# Altium PCB Copy of ECU rev B pcb.PcbDoc (part 3 of 5)
Units mm, origin at the board's own origin, x right, y up, seen from the top; angles counter-clockwise.
Board outline 142 x 125.42 mm, 4 copper layers (Top Layer, GND, Power, Bottom Layer), stack 0.603 mm thick; 577 components, 350 nets, 1799 pads, 656 vias.
Unrouted connection lines stored in the file: 28.
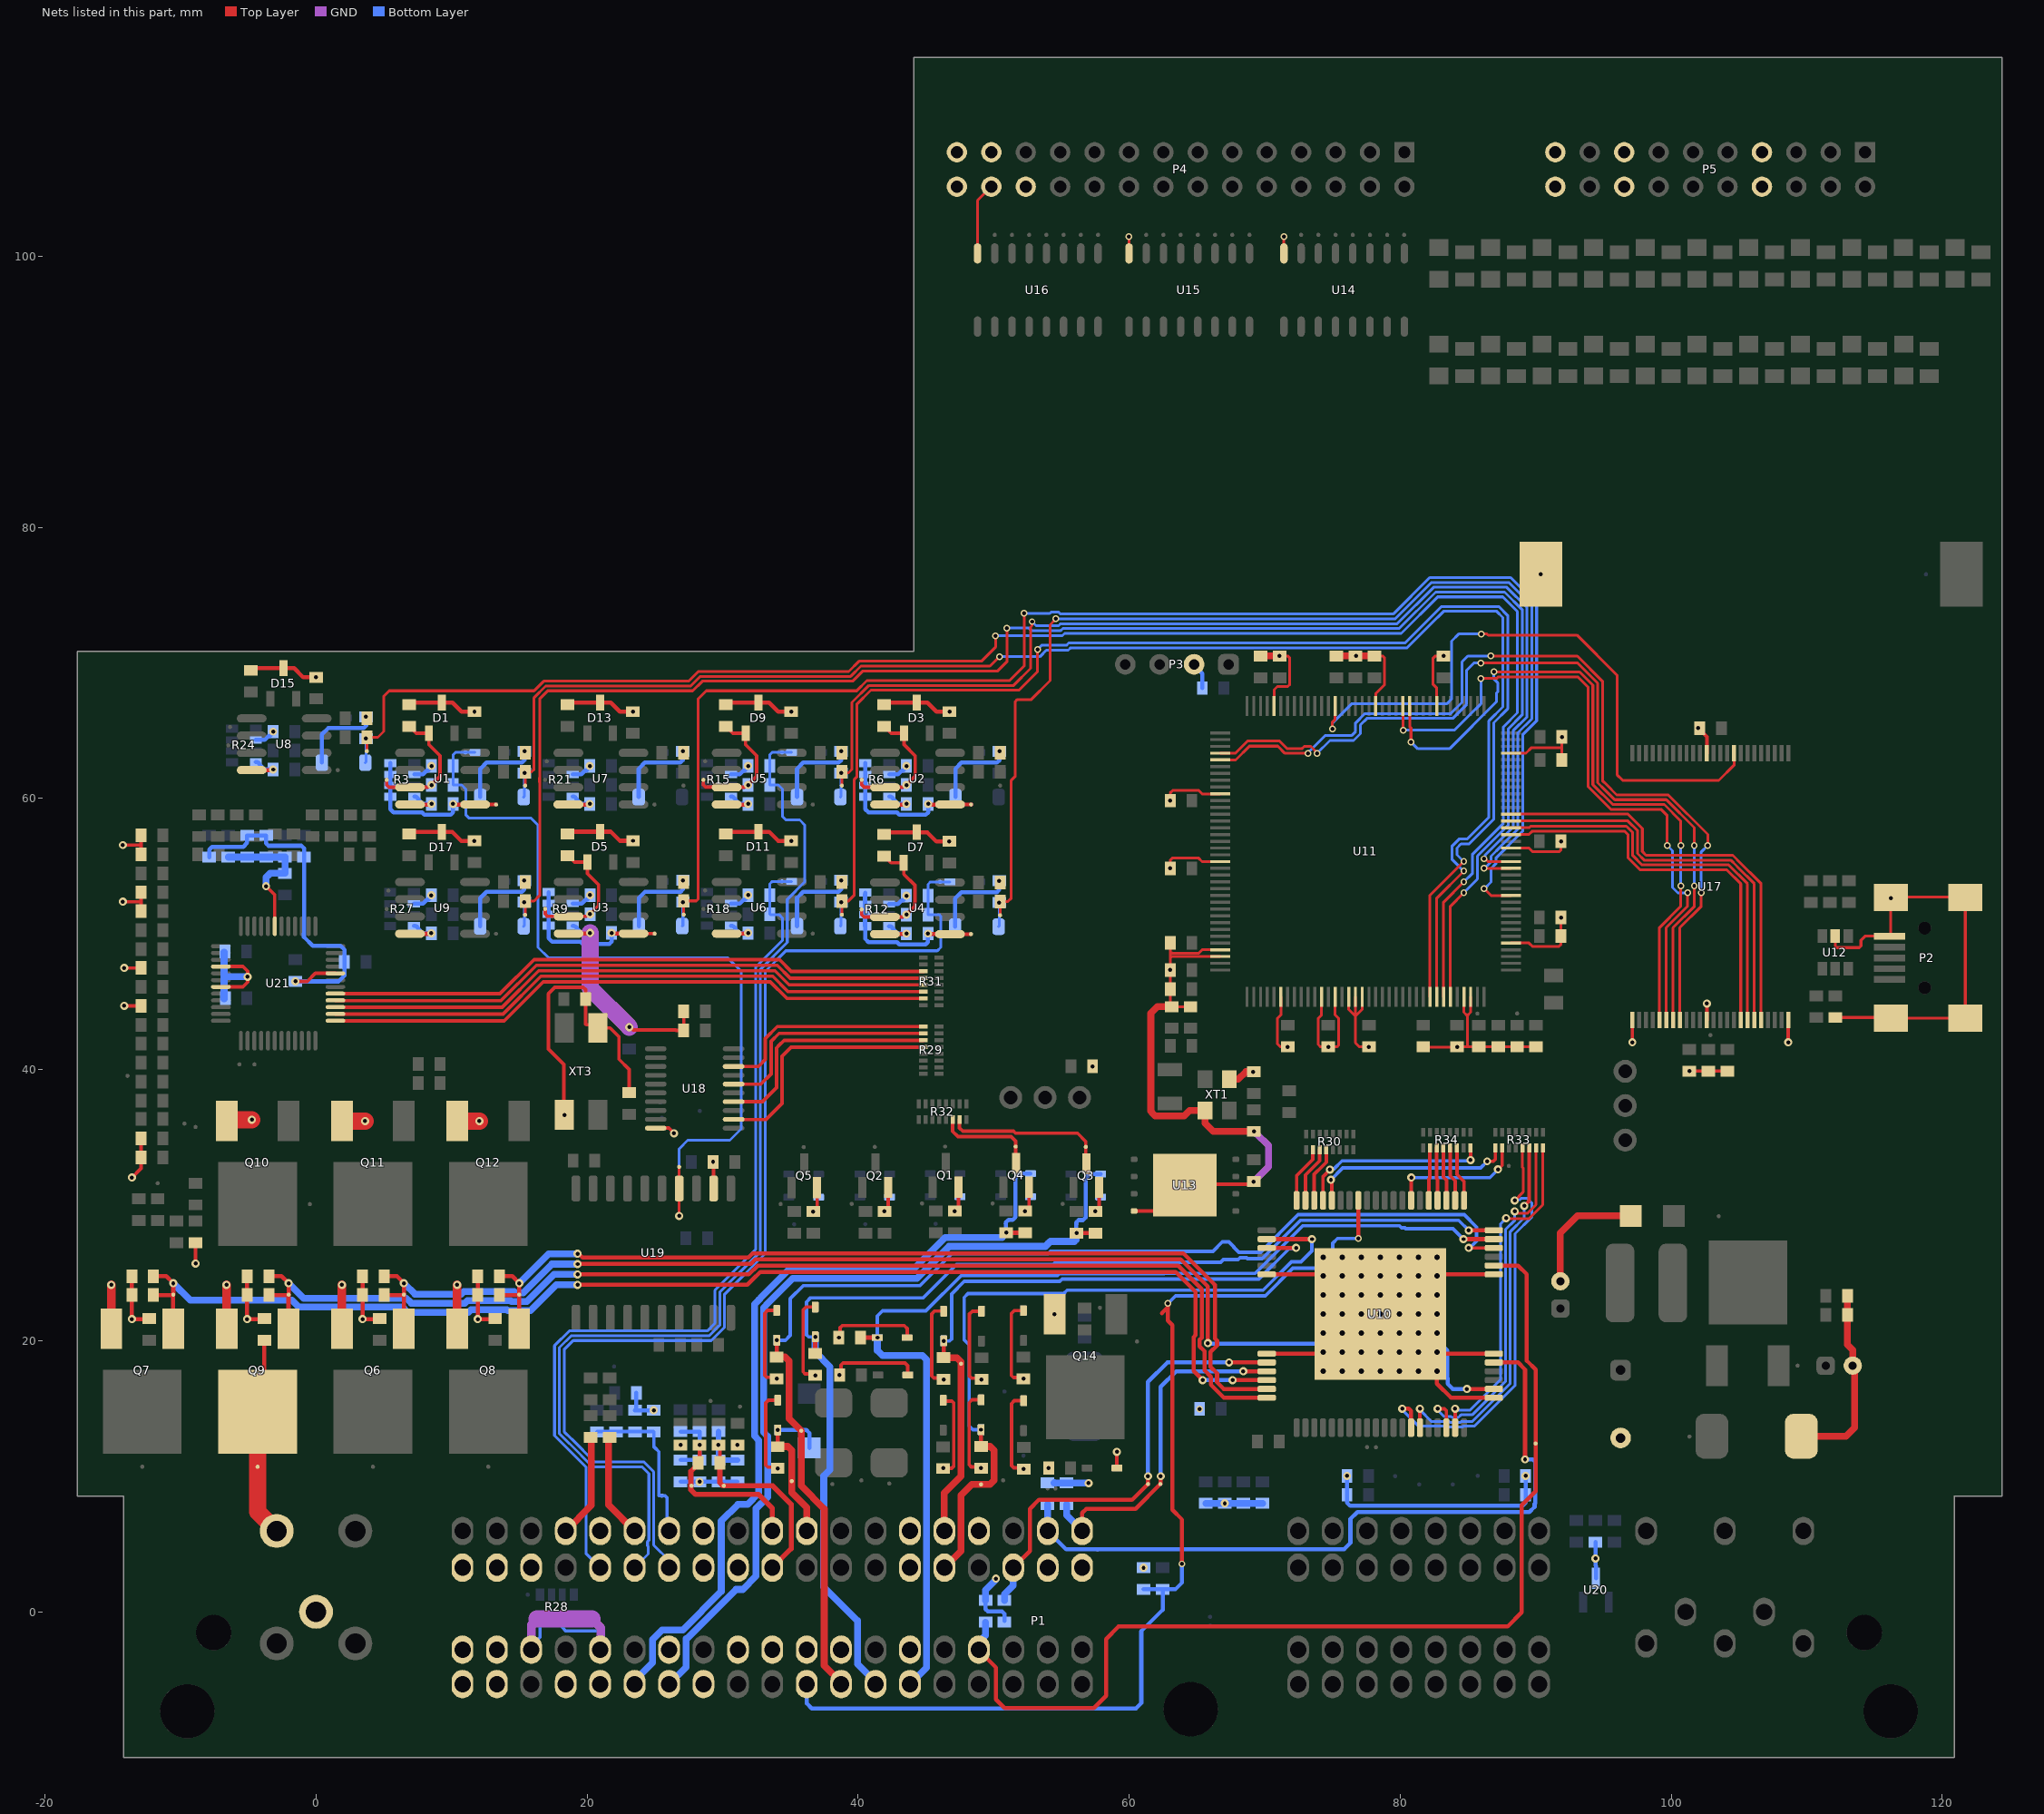
[diagram p5: the nets of this part, all layers, seen from the top]

## Via types
v1: diameter 0.6, hole 0.3, Top Layer to Bottom Layer, tented both sides, 321 vias
v2: diameter 0.5, hole 0.3, Top Layer to Bottom Layer, tented both sides, 275 vias
v3: diameter 0.6, hole 0.4, Top Layer to Bottom Layer, 49 vias
v4: diameter 0.45, hole 0.3, Top Layer to Bottom Layer, tented both sides, 8 vias
v5: diameter 1.2, hole 0.6, Top Layer to Bottom Layer, tented both sides, 2 vias
v6: diameter 0.6, hole 0.3, Top Layer to Bottom Layer, 1 vias

## Nets (pads, with @x,y where several pads share a name; then routed paths per layer and width w, separated by ;. In a path a pad name is that pad's centre, name@x,y a point inside that pad or via, vN(x,y) a via of type N, cw(c..) or ccw(c..) an arc to the next point about the centre after c; other vN are vias at no path point) (continued)
Coil4: C91.2 P1.4 Q9.4 TP111.0 | length 14.9
  Top Layer w0.305: Q9.4@-3.81,14.986 -3.81,19.939 -3.8,19.949 C91.2@-3.8,20.026 ; Q9.4@-2.399,12.968 Q9.4@-2.032,13.335
  Top Layer w1.27: Q9.4@-4.318,14.75 -4.318,7.388 P1.4@-2.9,5.97
ConditD: Q4.3 R32.14 TP72.0 | length 7.5
  Top Layer w0.254: R32.14@46.982,36.322 46.982,35.441 47.371,35.052 51.294,35.052 51.621,34.725 TP72.0@51.621,34.323 51.621,33.125 51.663,33.083 Q4.3@51.663,33.078
Conditioner: C119.2 P1.69 TP55.0 U10.32 VD24.2 VD40.1 | length 85.8
  Top Layer w0.305: C119.2@36.833,19.053 v2(36.833,20.288) ; v1(85.055,28.145) 86.095,28.145 86.096,28.146 U10.32@86.916,28.146
  Bottom Layer w0.254: v2(36.833,20.288) 36.349,20.288 36.2,20.437 36.2,22.863 36.504,23.167 44.818,23.167 47.263,25.613 54.389,25.613 54.548,25.772 62.248,25.772 62.265,25.789 66.763,25.789 66.959,25.984 68.035,25.984 68.175,26.124 68.655,26.124 68.714,26.065 69.813,26.065 72.635,28.887 72.762,28.887 72.818,28.887 84.313,28.887 v1(85.055,28.145)
  Bottom Layer w0.508: v2(36.833,20.288) TP55.0@36.833,19.167 37.928,18.072 37.928,10.483 37.465,10.021 37.465,1.835 39.956,-0.656 39.956,-3.856 41.29,-5.19 P1.69@41.29,-5.33
"Conditioner sensor": C70.2 P1.76 R49.1 TP73.0 VD14.2 | length 61.6
  Top Layer w0.305: v1(50.936,27.966) C70.2@52.337,27.966
  Top Layer w0.508: P1.76@23.51,-5.33 P1.76@23.51,-5.08
  Bottom Layer w0.305: v1(50.936,27.966) 50.921,27.981 TP73.0@50.921,28.625 50.921,28.746 51.1,28.925 51.421,28.925 51.621,29.125 51.621,32.025 51.921,32.325 VD14.2@52.721,32.325
  Bottom Layer w0.508: P1.76@23.51,-5.33 23.87,-5.33 23.9,-5.3 23.872,-5.272 23.872,-4.728 24.844,-3.756 24.844,-2.04 25.55,-1.334 27.066,-1.334 29.9,1.5 29.9,6.696 31.143,7.94 31.856,7.94 32.672,8.755 32.672,12.661 32.36,12.973 32.36,22.698 32.683,23.021 32.683,23.04 32.9,23.257 32.9,23.266 34.928,25.294 38.84,25.294 44.107,25.294 46.432,27.619 50.619,27.619 v1@50.9,27.9
"Coolant Temp sensor": C32.2 P1.39 R16.1 TP26.0 VD6.2 | length 67.2
  Bottom Layer w0.203: P1.39@20.97,3.26 19.916,4.314 19.916,10.686 17.602,13 17.602,19.639 18.689,20.726 28.875,20.726 29.439,21.29 29.439,23.729 32.436,26.726 32.436,47.549 34.417,49.53 34.417,51.181 34.163,51.435 33.523,51.435 R16.1@33.487,51.471 C32.2@33.487,52.868 33.487,53.706 33.665,53.884 TP26.0@34.385,53.884 VD6.2@35.105,53.884
CoolantT: C34.2 D12.1 R17.2 TP28.0 U11.28 | length 101.6
  Top Layer w0.203: TP28.0@38.802,51.428 R17.2@38.802,52.445 39.3,52.446 39.7,52.846 39.7,61.379 39.9,61.579 39.9,66.943 40.947,67.99 41.047,67.99 51.876,67.99 53.238,69.352 v2(53.238,70.999) ; U11.28@82.199,45.377 82.199,52.861 84.683,55.346 v2(84.696,55.346) v2@84.7,55.346
  Bottom Layer w0.203: D12.1@38.694,50.582 38.745,50.633 v1(38.745,52.36) ; v2(53.238,70.999) 53.537,71.298 55.368,71.298 55.546,71.476 80.369,71.476 83.058,74.164 87.273,74.164 87.935,73.502 87.935,66.614 86.907,65.586 86.907,58.474 85.083,56.65 84.487,56.65 84.192,56.354 84.192,55.85 v2(84.696,55.346)
CPS_N: C170.1 C171.2 C172.2 C174.2 P1.34 R118.1 TP145.0 | length 17.5
  Top Layer w0.254: R118.1@29.7,12.2 29.8,12.1 C174.2@29.8,11
  Top Layer w0.381: R118.1@29.7,12.2 v1(29.7,12.3) ; C174.2@29.8,11 29.8,9.528 30.023,9.305 30.092,9.305 33.695,9.305 35.067,7.933 35.067,4.657 P1.34@33.67,3.26
  Bottom Layer w0.381: C170.1@29.7,13.3 v1(29.7,12.3) 29.708,12.292 C172.2@29.708,11.197 C171.2@31.105,11.197
CPS_P: C174.1 C175.2 C176.2 P1.15 R119.2 R120.2 R121.1 TP147.0 | length 16.7
  Top Layer w0.305: C174.1@28.2,11 28.3,11.1 v1(28.3,12.3)
  Top Layer w0.381: C174.1@28.2,11 28.2,10.9 27.665,10.365 27.665,9.3 27.665,8.997 27.992,8.67 32.651,8.67 33.67,7.651 P1.15@33.67,5.97
  Bottom Layer w0.305: C175.2@26.9,11.197 C176.2@28.308,11.197 28.3,11.205 v1(28.3,12.3) R120.2@28.3,13.3 R119.2@26.9,13.3
"ESF D": Q3.3 R32.15 TP69.0 | length 12
  Top Layer w0.254: R32.15@47.482,36.322 47.482,35.703 47.727,35.458 51.462,35.458 51.615,35.306 56.194,35.306 56.8,34.7 TP69.0@56.8,34.298 56.8,33.1 56.842,33.058 Q3.3@56.842,33.053
"ESF sensor": C69.2 P1.75 R47.1 TP70.0 VD13.2 | length 64
  Top Layer w0.305: v1(56.115,27.941) C69.2@57.516,27.941
  Bottom Layer w0.305: v1@56.1,27.956 TP70.0@56.1,28.6 56.1,28.721 56.279,28.9 56.6,28.9 56.8,29.1 56.8,32 57.1,32.3 VD13.2@57.9,32.3
  Bottom Layer w0.508: P1.75@26.05,-5.33 27.3,-4.08 27.3,-1.994 27.34,-1.994 30.989,1.655 31.481,1.655 32.464,2.637 32.464,7.613 33.332,8.482 33.332,12.935 33.021,13.246 33.021,22.425 33.344,22.748 33.344,22.767 33.56,22.983 33.56,22.992 35.168,24.6 44.347,24.6 46.706,26.959 53.805,26.959 54.005,27.159 54.031,27.159 54.202,27.33 55.974,27.33 56.1,27.457 v1@56.1,27.9
FAN1: C112.2 P1.68 TP48.0 U10.31 VD17.2 VD33.1 | length 80.8
  Top Layer w0.305: C112.2@40.183,20.232 v2(41.418,20.232) ; v1(84.665,27.495) U10.31@86.916,27.496 U10.31@86.916,27.496
  Top Layer w0.508: P1.68@43.811,-5.33 P1.68@43.83,-5.33
  Bottom Layer w0.254: v2(41.418,20.232) 41.418,21.818 41.8,22.2 45,22.2 47.6,24.8 54.725,24.8 54.885,24.959 62.585,24.959 62.591,24.966 69.289,24.966 72.804,28.481 79.942,28.481 79.971,28.452 80.002,28.421 80.023,28.421 80.11,28.334 80.355,28.334 80.414,28.275 83.885,28.275 v1(84.665,27.495)
  Bottom Layer w0.508: v2(41.418,20.232) 41.418,19.282 TP48.0@41.8,18.9 44.739,18.9 45.036,18.602 45.036,-4.124 P1.68@43.83,-5.33
FAN2: C113.2 P1.29 TP49.0 U10.54 VD18.2 VD34.1 | length 55.2
  Top Layer w0.305: C113.2@49.079,12.202 v2(49.079,13.437) ; U10.54@70.152,27.496 v1(73.485,27.495) v1(73.485,27.495)
  Top Layer w0.508: P1.29@46.37,3.26 47.6,4.49 47.6,8.6 48.4,9.4 TP49.0@49.072,9.4 49.742,9.4 50.04,9.698 50.04,11.902 49.742,12.2 49.081,12.2 C113.2@49.079,12.202
  Bottom Layer w0.254: v2(49.079,13.437) 48.463,13.437 48.2,13.7 48.2,19.689 47.828,20.061 47.828,23.19 48.114,23.476 55.176,23.476 55.425,23.725 69.38,23.725 69.886,23.725 71.983,25.821 72.11,25.821 72.686,25.821 72.723,25.859 73.485,26.621 v1(73.485,27.495)
FMC_D0: U11.84 U17.29 | length 51
  Top Layer w0.203: U11.84@80.699,66.814 80.699,65.3 80.797,65.202 v2(80.797,64.168) ; v2(86.919,69.367) 86.948,69.338 93.244,69.338 94.22,68.362 94.22,61.023 95.686,59.557 99.489,59.557 100.7,58.346 v2(100.7,56.544) ; U17.29@99.131,43.652 99.131,50.474 100.7,52.044 v2(100.7,53.544)
  Bottom Layer w0.203: v2(80.797,64.168) 80.797,64.16 80.823,64.135 80.83,64.135 81.301,63.664 83.638,63.664 87.097,67.122 87.097,67.767 87.194,67.865 87.194,68.539 86.919,68.814 v2(86.919,69.367) ; v2(100.7,53.544) v2(100.7,56.544)
FMC_D1: U11.85 U17.30 | length 49.4
  Top Layer w0.203: U11.85@80.199,66.814 80.199,66.845 80.2,66.846 80.2,65.063 v2(80.213,65.049) ; v2(85.954,68.859) 87.124,68.859 87.247,68.982 93.097,68.982 93.864,68.215 93.864,60.876 95.539,59.201 99.244,59.201 99.7,58.746 v2(99.7,56.544) ; U17.30@99.631,43.652 99.631,50.472 101.2,52.041 101.2,53.04 v2(101.204,53.044)
  Bottom Layer w0.203: v2(80.213,65.049) 84.018,65.049 84.196,65.227 85.09,66.121 85.954,66.985 v2(85.954,68.859) ; v2(99.7,56.544) 100.1,56.144 100.1,53.431 100.491,53.04 101.192,53.04 101.2,53.048 v2(101.204,53.044)
FMC_D2: U11.112 U17.31 | length 64.7
  Top Layer w0.203: U11.112@66.73,63.346 67.847,63.346 68.744,64.243 71.093,64.243 71.648,63.689 72.766,63.689 72.918,63.842 73.412,63.842 73.877,63.376 v2(73.877,63.338) ; v2(85.954,70.002) 93.082,70.002 94.575,68.51 94.575,61.17 95.089,60.657 95.833,59.912 99.636,59.912 101.7,57.849 v2(101.7,56.544) ; U17.31@100.131,43.652 100.131,50.469 101.708,52.046 101.708,53.536 v2(101.7,53.544)
  Bottom Layer w0.203: v2(73.877,63.338) 74.825,64.286 76.556,64.286 77.06,64.79 77.06,65.432 77.541,65.913 83.876,65.913 84.912,66.949 84.912,69.469 85.446,70.002 v2(85.954,70.002) ; v2(101.7,53.544) v2(101.7,56.544)
FMC_D3: U11.113 U17.32 | length 66.1
  Top Layer w0.203: U11.113@66.73,62.846 67.864,62.846 68.88,63.862 70.972,63.862 71.5,63.334 73.199,63.334 v2(73.203,63.338) ; v2(86.69,70.51) 93.077,70.51 94.931,68.657 94.931,61.318 95.236,61.012 95.981,60.268 99.783,60.268 102.7,57.351 v2(102.7,56.544) ; U17.32@100.631,43.652 100.631,50.466 102.212,52.047 v2(102.212,53.044)
  Bottom Layer w0.203: v2(73.203,63.338) 73.187,63.338 73.177,63.348 73.177,63.351 74.469,64.643 74.79,64.643 74.791,64.642 76.409,64.642 76.704,64.937 76.704,65.579 77.394,66.269 83.729,66.269 84.557,67.097 84.557,70.079 84.988,70.51 v2(86.69,70.51) ; v2(102.212,53.044) 102.212,56.056 v2(102.7,56.544)
FMC_D4: U11.57 U17.41 | length 29.7
  Top Layer w0.203: U11.57@88.168,57.346 89.509,57.346 89.763,57.6 96.546,57.6 96.8,57.346 96.8,55.646 97.7,54.746 104.098,54.746 105.131,53.713 U17.41@105.131,43.652
FMC_D5: U11.58 U17.42 | length 30.3
  Top Layer w0.203: U11.58@88.168,57.846 89.506,57.846 89.615,57.955 96.693,57.955 97.156,57.493 97.156,55.793 97.847,55.101 104.245,55.101 105.631,53.716 U17.42@105.631,43.652
FMC_D6: U11.59 U17.43 | length 30.9
  Top Layer w0.203: U11.59@88.168,58.346 96.806,58.346 97.511,57.64 97.511,55.94 97.995,55.457 104.393,55.457 104.806,55.044 104.902,54.948 106.131,53.719 U17.43@106.131,43.652
FMC_D7: U11.60 U17.44 | length 31.7
  Top Layer w0.203: U11.60@88.168,58.846 96.809,58.846 97.867,57.788 97.867,56.088 98.142,55.812 104.54,55.812 104.809,55.544 104.903,55.449 106.631,53.722 U17.44@106.631,43.652
"Fuel press": C117.2 P1.70 TP53.0 U10.30 VD22.2 VD38.1 | length 89.4
  Top Layer w0.254: v1(85.055,26.845) U10.30@86.916,26.846 U10.30@86.916,26.846
  Top Layer w0.305: C117.2@34,18.8 v2(34,20.035)
  Top Layer w0.508: C117.2@34,18.8 34.6,18.8 34.906,18.494 34.906,14.254 TP53.0@35.8,13.36 35.8,9.3 37.5,7.6 37.5,-3.942 38.75,-5.192 P1.70@38.75,-5.33
  Bottom Layer w0.254: v2(34,20.035) 34.635,20.035 35,20.4 35,23.1 35.967,24.067 44.568,24.067 46.927,26.426 54.026,26.426 54.185,26.585 61.912,26.585 61.928,26.601 66.182,26.601 66.875,27.294 67.355,27.294 67.72,26.93 67.72,26.895 68.084,26.531 69.704,26.531 72.467,29.294 72.594,29.294 72.629,29.294 84.726,29.294 85.634,28.385 85.634,27.341 85.217,26.924 85.217,26.801 v1@85.217,26.797
FuelG: C120.2 P1.10 TP56.0 U10.55 VD25.2 VD41.1 | length 48.6
  Top Layer w0.254: P1.10@46.355,5.985 P1.10@46.37,5.97
  Top Layer w0.305: C120.2@46.317,18.751 v2(46.317,19.986) ; U10.55@70.152,26.846 72.314,26.846 v1(72.315,26.845)
  Top Layer w0.508: C120.2@46.317,18.751 47.302,18.751 47.6,18.453 TP56.0@47.6,18.3 47.6,10 46.366,8.766 46.366,5.996 P1.10@46.355,5.985
  Bottom Layer w0.254: v2(46.317,19.986) 46.751,19.986 46.9,20.135 46.9,23.449 47.825,24.374 54.874,24.374 55.053,24.553 62.753,24.553 62.76,24.559 69.065,24.559 69.571,24.559 71.791,26.779 72.249,26.779 v1(72.315,26.845)
GND: C1.1 C2.1 C3.2 C4.1 C5.1 C6.1 C7.1 C8.1 C9.2 C10.1 C11.1 C12.1 C13.1 C14.1 C15.2 C16.1 C17.1 C18.1 C19.1 C20.1 C21.2 C22.1 C23.1 C24.1 C25.1 C26.1 C27.2 C28.1 C29.1 C30.1 C31.1 C32.1 C33.2 C34.1 C35.1 C36.1 C37.1 C38.1 C39.2 C40.1 C41.1 C42.1 C43.1 C44.1 C45.2 C46.1 C47.1 C48.1 C49.1 C50.1 C51.2 C52.1 C53.1 C54.1 C55.1 C56.1 C57.1 C58.1 C59.2 C60.2 C61.2 C62.2 C63.2 C64.2 C65.2 C66.1 C67.1 C68.1 C69.1 C70.1 C71.1 C72.1 C73.1 C74.1 C75.1 C76.2 C77.2 C78.2 C79.1 C82.1 C83.1 C84.1 C85.1 C86.1 C87.1 C88.1 C89.1 C90.1 C91.1 C92.1 C93.1 C94.1 C95.1 C96.2 C97.1 C98.2 C99.1 C100.2 C107.2 C110.1 C111.1 C112.1 C113.1 C114.1 C115.1 C116.1 C117.1 C118.1 C119.1 C120.1 C121.1 C122.1 C124.0 C125.0 C126.1 C127.0 C128.1 C129.1 C130.1 C131.1 C132.1 C133.1 C134.1 C135.1 C136.1 C137.1 C138.1 C139.1 C141.2 C142.2 C143.2 C144.1 C145.1 C146.1 C147.1 C148.1 C149.1 C150.1 C151.1 C152.1 C153.1 C154.1 C155.1 C156.1 C157.1 C158.1 C159.1 C160.1 C161.1 C162.1 C163.1 C164.1 C165.1 C166.1 C167.1 C168.1 C169.1 C171.1 C172.1 C173.1 C175.1 C176.1 C177.1 D1.1 D2.0 D3.1 D4.0 D5.1 D6.0 D7.1 D8.0 D9.1 D10.0 D11.1 D12.0 D13.1 D14.0 D15.1 D16.0 D17.1 D18.0 D19.2 D20.2 D21.2 D22.2 D23.2 P1.3 P1.9 P1.11 P1.17 P1.20 P1.25 P1.26 P1.30 P1.35 P1.36 P1.41 P1.42 P1.43 P1.49 P1.51 P1.52 P1.53 P1.54 P1.56 P1.58 P1.60 P1.61 P1.62 P1.74 P1.77 P1.78 P1.80 P1.81 P2.5 P2.6 P3.2 P4.24 P4.25 P4.26 P4.27 P4.28 P5.7 P5.8 P5.15 P5.16 P5.19 P5.20 Q1.2 Q2.2 Q3.2 Q4.2 Q5.2 Q6.3 Q7.3 Q8.3 Q9.3 Q10.3 Q11.3 Q12.3 Q14.3 R3.2 R3.4 R6.2 R6.4 R9.2 R9.4 R12.2 R12.4 R15.2 R15.4 R18.2 R18.4 R21.2 R21.4 R24.2 R24.4 R27.2 R27.4 R28.2 R28.4 R39.2 R79.1 R80.1 R81.1 R82.1 R89.2 R92.2 R99.1 R111.1 R112.1 R114.1 U1.4 U2.4 U3.4 U4.4 U5.4 U6.4 U7.4 U8.4 U9.4 U10.21 U10.26 U10.27 U10.58 U10.59 U10.65 U11.6 U11.12 U11.14 U11.16 U11.17 U11.18 U11.33 U11.34 U11.41 U11.55 U11.69 U11.80 U11.89 U11.104 U11.118 U11.128 U11.141 U11.142 U12.2 U13.4 U13.9 U14.8 U15.8 U16.8 U17.13 U17.25 U17.36 U17.48 U18.10 U19.2 U20.3 U21.20 U21.40 U21.43 VBAT1.1 VD30.0 VD32.2 VD33.2 VD34.2 VD35.2 VD36.2 VD37.2 VD38.2 VD39.2 VD40.2 VD41.2 VD42.2 VD43.2 XT1.3 XT3.3 | length 659.4
  Top Layer w0.203: U16.8@48.814,100.217 48.814,104.121 P4.26@49.83,105.137 ; U15.8@59.99,100.217 v2(59.99,101.454) ; C147.1@63.03,49.346 63.03,48.711 ; v1(63.03,54.846) 63.03,55.447 63.183,55.6 65.135,55.6 65.389,55.346 U11.128@66.73,55.346 ; v1(63.03,59.846) 63.03,60.408 63.222,60.6 65.135,60.6 65.389,60.346 U11.118@66.73,60.346 ; C65.2@64.53,44.646 C64.2@63.13,44.646 63.03,44.746 C162.1@63.03,45.946 v1(63.03,47.346) 63.03,48.227 ; U11.142@66.73,48.346 63.149,48.346 63.03,48.227 ; U11.141@66.73,48.846 65.399,48.846 65.145,48.592 63.149,48.592 63.03,48.711 ; U11.104@70.699,66.814 70.699,66.845 70.7,66.846 70.7,68.027 70.933,68.26 71.704,68.26 71.853,68.409 71.853,70.361 71.7,70.514 v1(71.099,70.514) ; U11.6@71.199,45.377 71.199,44.036 70.945,43.782 70.945,41.901 71.169,41.677 v1(71.699,41.677) ; U14.8@71.42,100.217 v2(71.42,101.454) ; U11.12@74.199,45.377 74.199,44.036 73.945,43.782 73.945,41.85 74.118,41.677 v1(74.699,41.677) ; C149.1@74.748,41.628 v1(74.699,41.677) ; U11.14@75.199,45.377 75.199,44.987 75.199,44.036 75.374,43.861 75.453,43.782 75.453,41.796 75.334,41.677 v1(74.699,41.677) ; U11.16@76.199,45.377 76.199,44.447 76.699,43.947 ; U11.17@76.699,45.377 76.699,45.26 76.686,45.247 76.699,45.234 76.699,43.947 ; U11.18@77.199,45.377 77.199,44.447 76.699,43.947 ; v1(77.699,41.677) 76.999,41.677 76.699,41.977 76.699,43.947 ; C163.1@78.099,70.514 78.7,70.514 78.853,70.361 78.853,68.399 78.199,67.745 U11.89@78.199,66.814 ; C61.2@81.699,41.677 81.822,41.677 81.853,41.646 84.168,41.646 v1(84.199,41.677) 84.834,41.677 84.953,41.677 ; U11.80@82.699,66.814 82.699,68.155 82.411,68.443 82.411,70.326 82.6,70.514 v1(83.199,70.514) ; U11.33@84.699,45.377 84.699,44.238 84.953,43.984 ; U11.34@85.199,45.377 85.199,45.13 85.212,45.117 85.199,45.104 85.199,44.23 84.953,43.984 ; U11.41@88.168,49.346 89.509,49.346 89.763,49.092 91.715,49.092 91.868,49.244 C153.1@91.868,49.846 v1(91.868,51.214) ; U11.55@88.168,56.346 89.509,56.346 89.688,56.166 89.763,56.092 91.749,56.092 91.868,56.211 v1(91.868,56.846) ; U11.69@88.168,63.346 89.282,63.346 89.668,63.731 91.93,63.731 ; C144.1@90.03,41.677 C142.2@88.63,41.677 C145.1@87.23,41.677 C143.2@85.813,41.677 84.953,41.677 ; C146.1@91.93,62.846 91.93,63.731 ; v1(91.93,64.546) 91.93,63.731 ; U17.25@97.12,43.31 97.131,43.32 U17.25@97.131,43.652 ; C59.2@112.1,43.846 112.2,43.846 116.15,43.846 P2.6@116.2,43.796 P2.6@121.7,43.796 P2.6@121.7,52.696 121.65,52.746 116.4,52.746 116.35,52.696 P2.6@116.2,52.696 116.2,49.946 P2.5@116.1,49.846 114.3,49.846 114,49.546 114,49.12 113.881,49.001 112.219,49.001 112.1,49.12 U12.2@112.1,49.846 ; 63.03,48.227 63.03,48.711 ; 84.953,41.677 84.953,43.984
  Top Layer w0.254: v1(-14.258,52.388) -12.903,52.388 ; v1(-14.258,56.566) -12.903,56.566 ; v1(-14.159,44.704) C139.1@-12.903,44.704 ; v1(-14.159,47.498) C141.2@-12.903,47.498 ; v1(-13.581,32.035) -12.903,32.713 C107.2@-12.903,33.528 C110.1@-12.903,34.925 ; R114.1@-12.903,51.689 -12.903,52.387 ; R112.1@-12.903,53.086 -12.903,52.387 ; R111.1@-12.903,55.88 -12.903,56.566 ; C100.2@-12.903,57.277 -12.903,56.566 ; R99.1@-8.89,27.229 -8.89,25.704 v1(-8.884,25.698) ; U21.43@-7.019,46.105 -5.394,46.105 -5.044,46.455 v1(-5.044,46.855) -5.044,47.255 -5.394,47.605 U21.40@-7.019,47.605 ; v1(-1.523,46.508) -0.641,46.508 -0.044,47.105 U21.20@1.431,47.105 ; XT3.3@18.161,36.531 XT3.3@18.308,36.678 18.308,36.937 18.288,36.957 18.288,40.386 17.145,41.529 17.145,45.593 17.628,46.076 19.71,46.076 19.888,45.898 C84.1@19.888,45.212 19.888,43.358 19.939,43.307 20.579,43.307 XT3.3@20.808,43.078 21.692,43.078 22.352,42.418 22.352,40.767 23.114,40.005 C83.1@23.114,38.303 ; v1(23.114,43.129) 23.208,43.129 23.411,42.926 26.543,42.926 26.57,42.899 C76.2@27.135,42.899 C78.2@27.135,44.297 ; U18.10@25.065,35.683 25.396,35.683 25.4,35.687 26.035,35.687 v1(26.416,35.306) ; v1(29.3,33.2) 29.34,33.16 U19.2@29.34,31.23 ; v1(34,17.2) 33.903,17.297 33.268,17.297 33.111,17.454 33.111,22.026 33.32,22.235 VD38.2@34,22.235 ; v1(34.07,10.583) 33.973,10.68 33.338,10.68 33.181,10.837 33.181,15.409 33.39,15.617 VD32.2@34.07,15.617 ; C71.1@36.702,29.528 36.705,29.528 36.978,29.801 Q5.2@36.978,31.29 ; v1(36.833,17.453) 36.736,17.55 36.101,17.55 35.944,17.707 35.944,22.279 36.153,22.488 VD40.2@36.833,22.488 ; v1(38.583,20.232) 38.681,20.329 38.681,20.964 38.837,21.121 43.409,21.121 43.618,20.912 VD33.2@43.618,20.232 ; v1(38.634,17.471) 38.731,17.568 38.731,18.203 38.888,18.36 43.46,18.36 43.669,18.151 VD37.2@43.669,17.471 ; C68.1@41.947,29.539 41.95,29.539 42.223,29.812 Q2.2@42.223,31.301 ; VD43.2@46.284,15.611 46.347,15.548 46.915,15.548 47.064,15.4 47.064,10.749 46.915,10.6 v2(46.3,10.6) ; v1(46.317,17.151) 46.22,17.248 45.585,17.248 45.428,17.405 45.428,21.977 45.637,22.186 VD41.2@46.317,22.186 ; C67.1@47.136,29.566 47.139,29.566 47.412,29.839 Q1.2@47.412,31.328 ; v1(49.079,10.602) 48.982,10.699 48.347,10.699 48.19,10.856 48.19,15.428 48.399,15.637 VD34.2@49.079,15.637 ; v1(49.104,17.144) 49.007,17.241 48.372,17.241 48.215,17.398 48.215,21.97 48.424,22.179 VD36.2@49.104,22.179 ; v1(52.202,17.188) 52.105,17.285 51.47,17.285 51.313,17.442 51.313,22.014 51.522,22.223 VD35.2@52.202,22.223 ; v1(52.214,10.537) 52.117,10.634 51.482,10.634 51.325,10.791 51.325,15.363 51.534,15.572 VD39.2@52.214,15.572 ; C70.1@52.337,29.566 52.34,29.566 52.613,29.839 Q4.2@52.613,31.328 ; v1(54.064,10.607) C121.1@54.161,10.704 ; C69.1@57.516,29.541 57.519,29.541 57.792,29.814 Q3.2@57.792,31.303 ; VD42.2@59.099,10.607 v1@59.099,11.799 ; U13.4@60.364,29.567 62.209,29.567 64.188,31.546 68.996,31.546 v1(69.195,31.745) ; U17.25@97.12,43.31 97.131,43.299 v1(97.131,42.01) ; C73.1@101.591,39.892 v1(101.337,39.892) C75.1@104.131,39.892 C74.1@102.734,39.892 ; C72.1@102.099,65.091 102.631,64.559 U17.13@102.631,63.352 ; U17.36@102.631,43.652 v1(102.631,44.87) ; v1(108.631,42.01) U17.48@108.631,43.652
  Top Layer w0.305: R80.1@-13.589,24.765 C88.1@-13.589,23.368 v1(-13.589,21.59) -12.63,21.59 -12.452,21.769 C87.1@-12.309,21.626 ; Q10.3@-6.435,36.364 Q10.3@-6.223,36.576 ; R82.1@-5.08,24.765 C92.1@-5.08,23.368 v1(-5.08,21.59) -4.121,21.59 -3.943,21.769 C91.1@-3.8,21.626 ; C47.1@-4.816,69.454 -4.656,69.614 D15.1@-2.403,69.614 -1.623,69.614 -0.955,68.946 v1(0.01,68.946) ; U8.4@-4.746,62.097 -3.207,62.097 v1(-3.165,62.139) ; R79.1@3.429,24.765 C86.1@3.429,23.368 v1(3.429,21.59) 4.388,21.59 4.566,21.769 C85.1@4.709,21.626 ; C53.1@6.862,57.38 7.022,57.54 D17.1@9.275,57.54 10.055,57.54 10.723,56.872 v1(11.688,56.872) ; C5.1@6.868,66.914 7.028,67.074 D1.1@9.281,67.074 10.061,67.074 10.729,66.406 v1(11.694,66.406) ; U9.4@6.932,50.023 8.471,50.023 v1(8.513,50.065) ; U1.4@6.938,59.557 8.477,59.557 v1(8.519,59.599) ; R81.1@11.938,24.765 C90.1@11.938,23.368 v1(11.938,21.59) 12.897,21.59 13.075,21.769 C89.1@13.218,21.626 ; C41.1@18.552,66.914 18.712,67.074 D13.1@20.965,67.074 21.745,67.074 22.413,66.406 v1(23.378,66.406) ; C17.1@18.565,57.392 18.725,57.552 D5.1@20.978,57.552 21.758,57.552 22.426,56.884 v1(23.391,56.884) ; U7.4@18.622,59.557 20.161,59.557 v1(20.203,59.599) ; U3.4@18.635,50.035 20.174,50.035 v1(20.216,50.077) ; C35.1@30.236,57.389 30.396,57.549 D11.1@32.649,57.549 33.429,57.549 34.097,56.881 v1(35.062,56.881) ; C29.1@30.236,66.914 30.396,67.074 D9.1@32.649,67.074 33.429,67.074 34.097,66.406 v1(35.062,66.406) ; U6.4@30.306,50.032 31.845,50.032 v1(31.887,50.074) ; U5.4@30.306,59.557 31.845,59.557 v1(31.887,59.599) ; C23.1@41.91,57.353 42.07,57.513 D7.1@44.323,57.513 45.103,57.513 45.771,56.845 v1(46.736,56.845) ; C11.1@41.92,66.914 42.08,67.074 D3.1@44.333,67.074 45.113,67.074 45.781,66.406 v1(46.746,66.406) ; U4.4@41.98,49.996 43.519,49.996 v1(43.561,50.038) ; U2.4@41.99,59.557 43.529,59.557 v1(43.571,59.599) ; U10.59@70.152,19.046 75.609,19.046 v3(75.734,19.171) v3(77.134,20.571) v3(78.534,21.971) ; U10.58@70.152,24.896 72.574,24.896 72.575,24.895 75.61,24.895 v3(75.734,24.771) v3(77.134,23.371) v3(78.534,21.971) ; 85.965,15.795 83.755,15.795 82.708,16.842 82.708,17.797 U10.65@81.459,19.046 ; 85.966,15.796 U10.21@86.916,15.796 ; U10.26@86.916,19.046 U10.65@81.459,19.046 ; U10.27@86.916,24.896 81.459,24.896 v3(81.334,24.771) v3(79.934,23.371) v3(78.534,21.971) ; v3(78.534,21.971) v3(79.934,20.571) v3(81.334,19.171) U10.65@81.459,19.046